# KiCad board panel.kicad_pcb (continued)
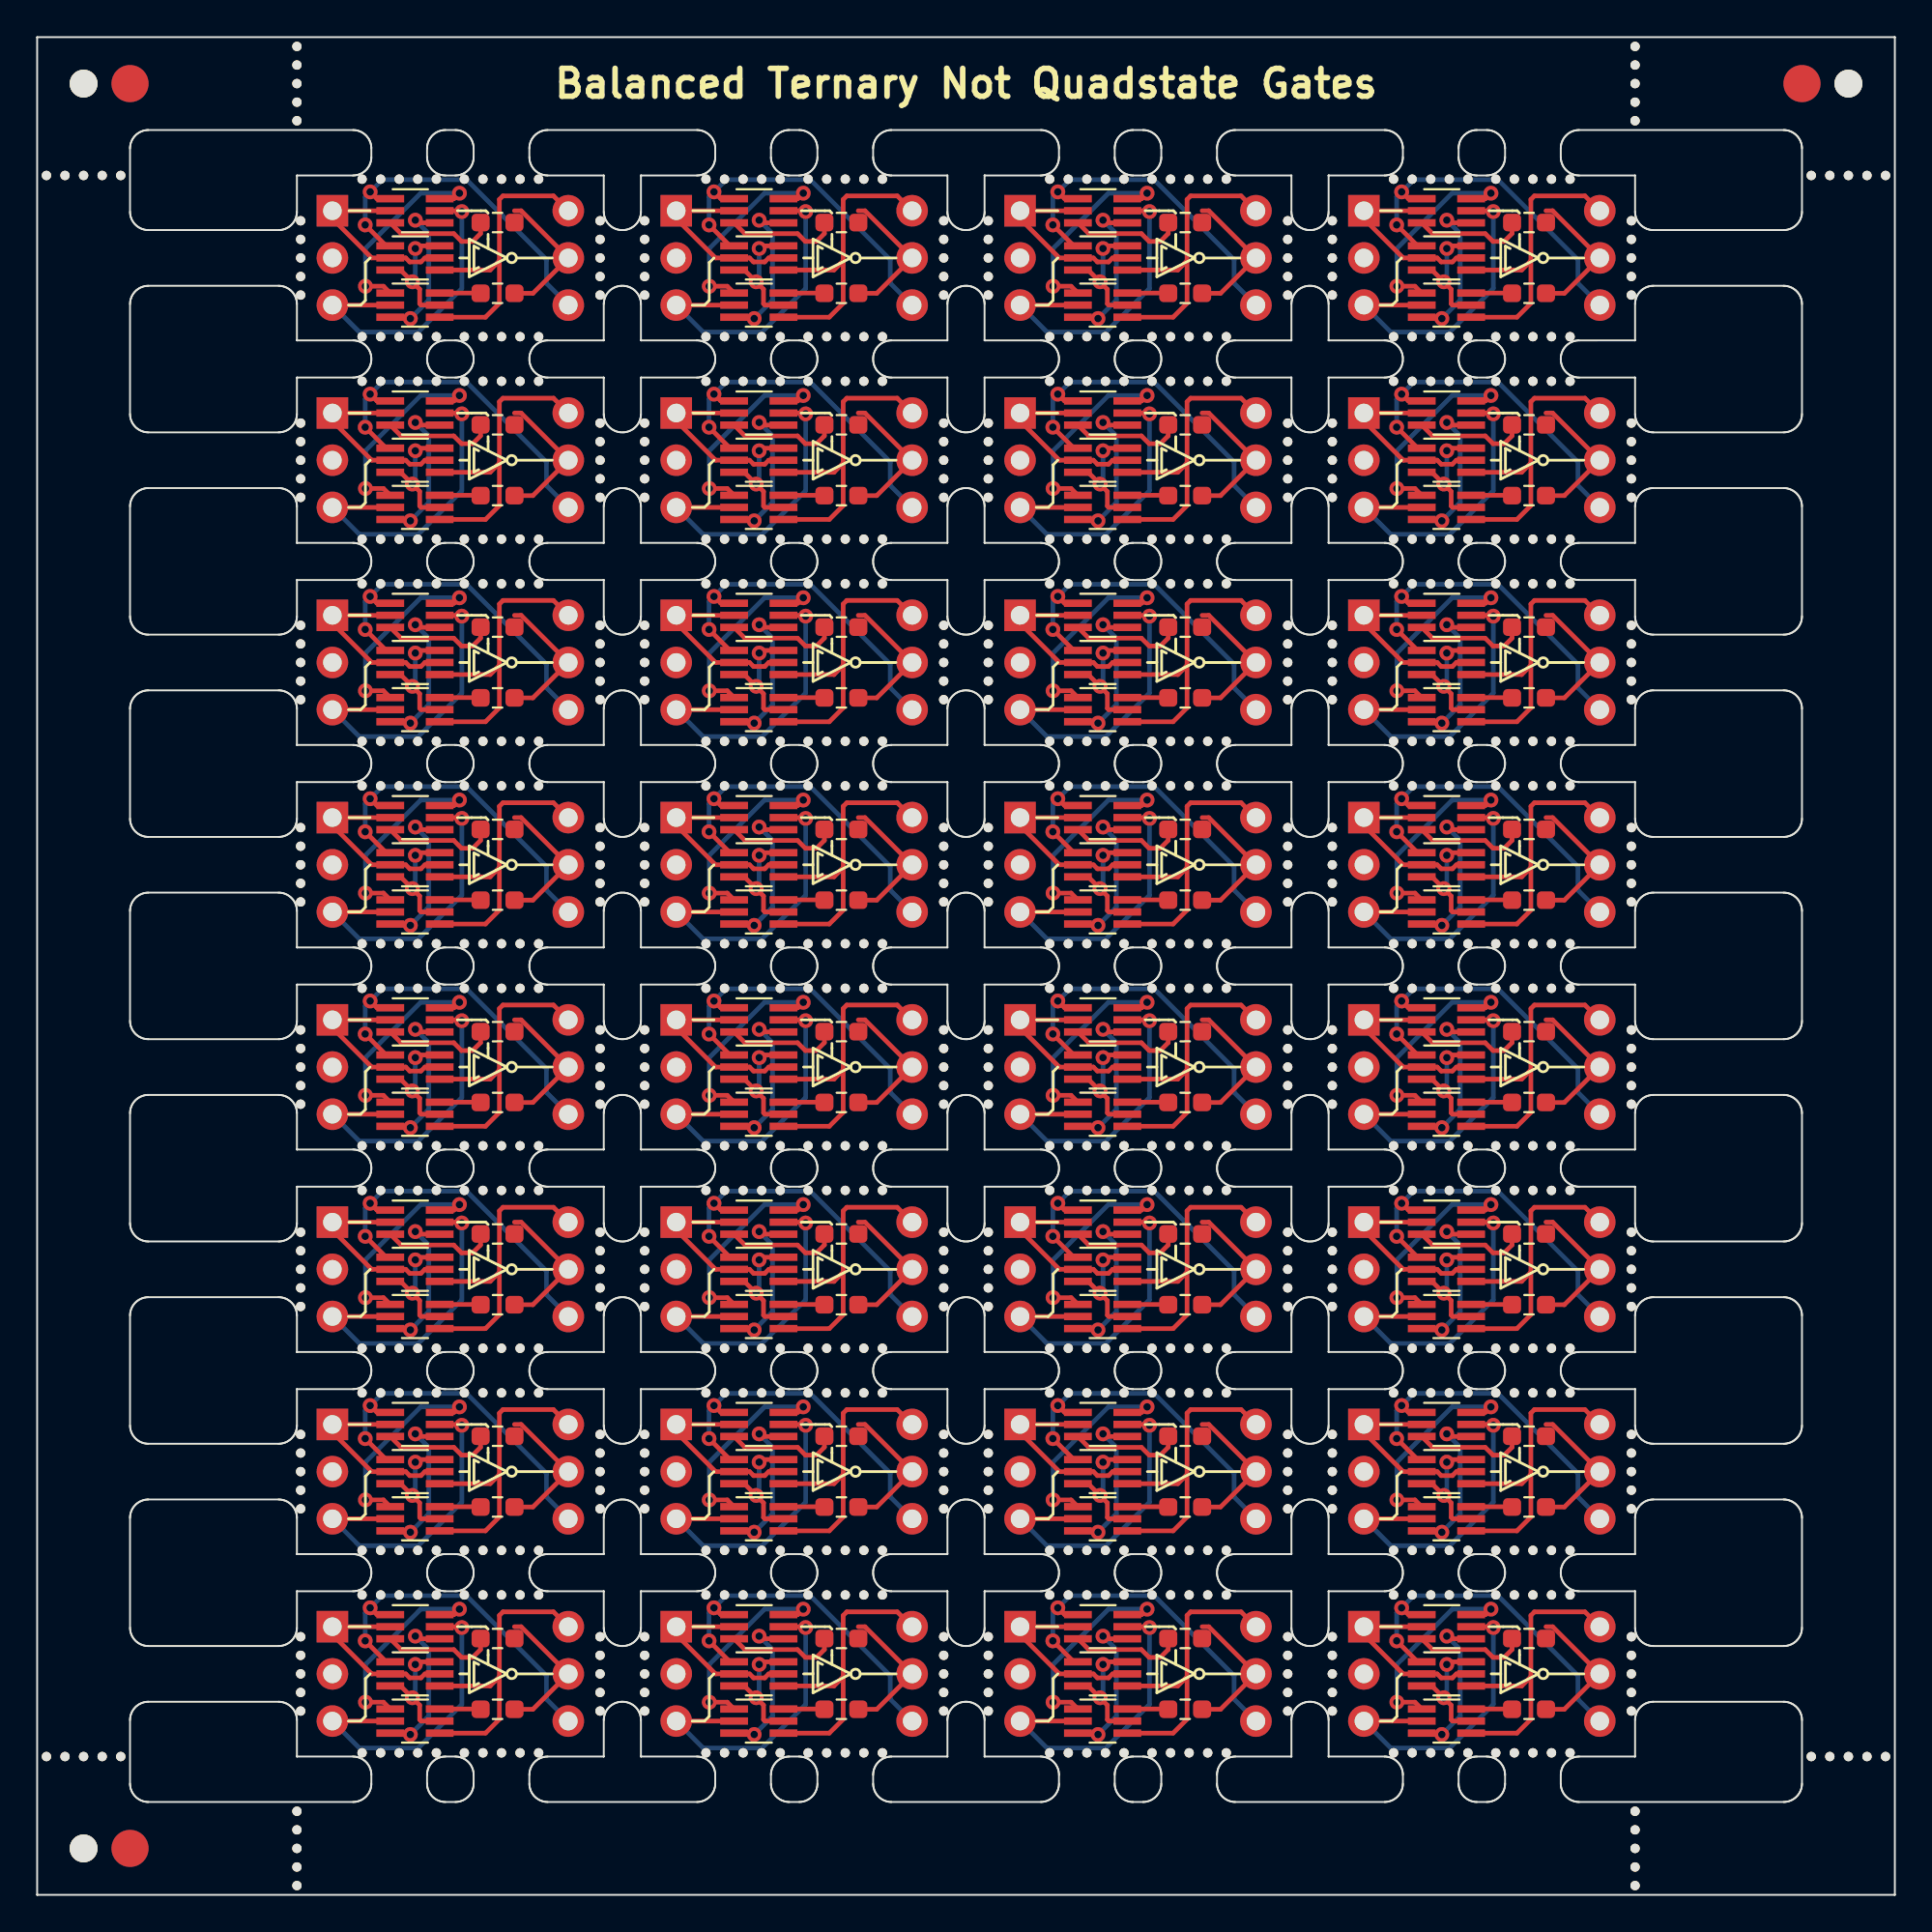
[diagram p0: board, top side]
## Placement (name value [footprint] x y rotation side) (continued)
REF**#825  -  [NPTH]  85.83 75.24 0 top
REF**#826  -  [NPTH]  44.51 7.65 0 top
REF**#827  -  [NPTH]  41.51 29.43 0 top
REF**#828  -  [NPTH]  64.02 70.59 0 top
REF**#829  -  [NPTH]  78.53 37.93 0 top
REF**#830  -  [NPTH]  14.18 88.13 0 top
REF**#831  -  [NPTH]  51.2 24.79 0 top
REF**#832  -  [NPTH]  56.51 70.59 0 top
REF**#833  -  [NPTH]  25 37.93 0 top
REF**#834  -  [NPTH]  75.03 18.55 0 top
REF**#835  -  [NPTH]  43.51 29.43 0 top
REF**#836  -  [NPTH]  76.03 37.93 0 top
REF**#837  -  [NPTH]  39.01 70.59 0 top
REF**#838  -  [NPTH]  76.03 59.71 0 top
REF**#839  -  [NPTH]  81.53 7.65 0 top
REF**#840  -  [NPTH]  57.51 51.21 0 top
REF**#841  -  [NPTH]  14.18 78.24 0 top
REF**#842  -  [NPTH]  43.51 51.21 0 top
REF**#843  -  [NPTH]  19.49 70.59 0 top
REF**#844  -  [NPTH]  27 37.93 0 top
REF**#845  -  [NPTH]  79.53 29.43 0 top
REF**#846  -  [NPTH]  86.03 3.5 0 top
REF**#847  -  [NPTH]  18.49 48.81 0 top
REF**#848  -  [NPTH]  78.53 48.81 0 top
REF**#849  -  [NPTH]  60.02 59.71 0 top
REF**#850  -  [NPTH]  14.18 46.57 0 top
REF**#851  -  [NPTH]  14.18 54.46 0 top
REF**#852  -  [NPTH]  51.2 12.9 0 top
REF**#853  -  [NPTH]  75.03 16.15 0 top
REF**#854  -  [NPTH]  51.2 32.68 0 top
REF**#855  -  [NPTH]  67.33 56.46 0 top
REF**#856  -  [NPTH]  18.49 92.37 0 top
REF**#857  -  [NPTH]  60.02 40.33 0 top
REF**#858  -  [NPTH]  54.51 7.65 0 top
REF**#859  -  [NPTH]  20.49 27.03 0 top
REF**#860  -  [NPTH]  32.7 75.24 0 top
REF**#861  -  [NPTH]  26 72.99 0 top
REF**#862  -  [NPTH]  26 48.81 0 top
REF**#863  -  [NPTH]  19.49 40.33 0 top
REF**#864  -  [NPTH]  67.33 32.68 0 top
REF**#865  -  [NPTH]  38.01 29.43 0 top
REF**#866  -  [NPTH]  32.7 90.13 0 top
REF**#867  -  [NPTH]  14.18 11.9 0 top
REF**#868  -  [NPTH]  26 16.15 0 top
REF**#869  -  [NPTH]  51.2 54.46 0 top
REF**#870  -  [NPTH]  67.33 68.35 0 top
REF**#871  -  [NPTH]  85.83 66.35 0 top
REF**#872  -  [NPTH]  81.53 16.15 0 top
REF**#873  -  [NPTH]  86.03 97.51 0 top
REF**#874  -  [NPTH]  17.49 62.11 0 top
REF**#875  -  [NPTH]  67.33 64.35 0 top
REF**#876  -  [NPTH]  0.5 7.45 0 top
REF**#877  -  [NPTH]  85.83 90.13 0 top
REF**#878  -  [NPTH]  17.49 37.93 0 top
REF**#879  -  [NPTH]  56.51 18.55 0 top
REF**#880  -  [NPTH]  73.03 48.81 0 top
REF**#881  -  [NPTH]  14.18 56.46 0 top
REF**#882  -  [NPTH]  27 59.71 0 top
REF**#883  -  [NPTH]  21.49 29.43 0 top
REF**#884  -  [NPTH]  77.03 72.99 0 top
REF**#885  -  [NPTH]  69.72 76.24 0 top
REF**#886  -  [NPTH]  62.02 83.89 0 top
REF**#887  -  [NPTH]  14.18 67.35 0 top
REF**#888  -  [NPTH]  74.03 48.81 0 top
REF**#889  -  [NPTH]  14.18 33.68 0 top
REF**#890  -  [NPTH]  80.53 27.03 0 top
REF**#891  -  [NPTH]  55.51 16.15 0 top
REF**#892  -  [NPTH]  19.49 72.99 0 top
REF**#893  -  [NPTH]  58.51 92.37 0 top
REF**#894  -  [NPTH]  30.3 65.35 0 top
REF**#895  -  [NPTH]  1.5 92.57 0 top
REF**#896  -  [NPTH]  55.51 70.59 0 top
REF**#897  -  [NPTH]  14.18 76.24 0 top
REF**#898  -  [NPTH]  14.18 42.57 0 top
REF**#899  -  [NPTH]  67.33 65.35 0 top
REF**#900  -  [NPTH]  18.49 16.15 0 top
REF**#901  -  [NPTH]  60.02 92.37 0 top
REF**#902  -  [NPTH]  2.5 7.45 0 top
REF**#903  -  [NPTH]  43.51 40.33 0 top
REF**#904  -  [NPTH]  69.72 24.79 0 top
REF**#905  -  [NPTH]  69.72 35.68 0 top
REF**#906  -  [NPTH]  42.51 37.93 0 top
REF**#907  -  [NPTH]  20.49 70.59 0 top
REF**#908  -  [NPTH]  82.53 70.59 0 top
REF**#909  -  [NPTH]  48.8 57.46 0 top
REF**#910  -  [NPTH]  26 62.11 0 top
REF**#911  -  [NPTH]  21.49 40.33 0 top
REF**#912  -  [NPTH]  86.03 99.51 0 top
REF**#913  -  [NPTH]  95.51 7.45 0 top
REF**#914  -  [NPTH]  18.49 7.65 0 top
REF**#915  -  [NPTH]  48.8 86.13 0 top
REF**#916  -  [NPTH]  69.72 86.13 0 top
REF**#917  -  [NPTH]  81.53 51.21 0 top
REF**#918  -  [NPTH]  17.49 59.71 0 top
REF**#919  -  [NPTH]  67.33 76.24 0 top
REF**#920  -  [NPTH]  57.51 29.43 0 top
REF**#921  -  [NPTH]  58.51 18.55 0 top
REF**#922  -  [NPTH]  80.53 7.65 0 top
REF**#923  -  [NPTH]  14.18 13.9 0 top
REF**#924  -  [NPTH]  4.5 92.57 0 top
REF**#925  -  [NPTH]  30.3 56.46 0 top
REF**#926  -  [NPTH]  57.51 81.49 0 top
REF**#927  -  [NPTH]  0.5 92.57 0 top
REF**#928  -  [NPTH]  69.72 54.46 0 top
REF**#929  -  [NPTH]  14.18 24.79 0 top
REF**#930  -  [NPTH]  41.51 7.65 0 top
REF**#931  -  [NPTH]  74.03 40.33 0 top
REF**#932  -  [NPTH]  38.01 70.59 0 top
REF**#933  -  [NPTH]  81.53 59.71 0 top
REF**#934  -  [NPTH]  51.2 21.79 0 top
REF**#935  -  [NPTH]  56.51 92.37 0 top
REF**#936  -  [NPTH]  58.51 27.03 0 top
REF**#937  -  [NPTH]  64.02 48.81 0 top
REF**#938  -  [NPTH]  55.51 40.33 0 top
REF**#939  -  [NPTH]  20.49 16.15 0 top
REF**#940  -  [NPTH]  20.49 59.71 0 top
REF**#941  -  [NPTH]  43.51 70.59 0 top
REF**#942  -  [NPTH]  48.8 34.68 0 top
REF**#943  -  [NPTH]  13.98 3.5 0 top
REF**#944  -  [NPTH]  77.03 16.15 0 top
REF**#945  -  [NPTH]  85.83 33.68 0 top
REF**#946  -  [NPTH]  25 16.15 0 top
REF**#947  -  [NPTH]  56.51 72.99 0 top
REF**#948  -  [NPTH]  69.72 20.79 0 top
REF**#949  -  [NPTH]  41.51 48.81 0 top
REF**#950  -  [NPTH]  80.53 16.15 0 top
REF**#951  -  [NPTH]  69.72 45.57 0 top
REF**#952  -  [NPTH]  77.03 40.33 0 top
REF**#953  -  [NPTH]  63.02 40.33 0 top
REF**#954  -  [NPTH]  39.01 7.65 0 top
REF**#955  -  [NPTH]  17.49 18.55 0 top
REF**#956  -  [NPTH]  48.8 9.9 0 top
REF**#957  -  [NPTH]  67.33 45.57 0 top
REF**#958  -  [NPTH]  69.72 23.79 0 top
REF**#959  -  [NPTH]  57.51 27.03 0 top
REF**#960  -  [NPTH]  51.2 13.9 0 top
REF**#961  -  [NPTH]  24 81.49 0 top
REF**#962  -  [NPTH]  67.33 57.46 0 top
REF**#963  -  [NPTH]  54.51 27.03 0 top
REF**#964  -  [NPTH]  54.51 40.33 0 top
REF**#965  -  [NPTH]  85.83 31.68 0 top
REF**#966  -  [NPTH]  54.51 51.21 0 top
REF**#967  -  [NPTH]  38.01 37.93 0 top
REF**#968  -  [NPTH]  78.53 62.11 0 top
REF**#969  -  [NPTH]  38.01 7.65 0 top
REF**#970  -  [NPTH]  82.53 37.93 0 top
REF**#971  -  [NPTH]  48.8 66.35 0 top
REF**#972  -  [NPTH]  27 7.65 0 top
REF**#973  -  [NPTH]  76.03 83.89 0 top
REF**#974  -  [NPTH]  13.98 98.51 0 top
REF**#975  -  [NPTH]  55.51 72.99 0 top
REF**#976  -  [NPTH]  21.49 7.65 0 top
REF**#977  -  [NPTH]  51.2 35.68 0 top
REF**#978  -  [NPTH]  67.33 20.79 0 top
REF**#979  -  [NPTH]  63.02 62.11 0 top
REF**#980  -  [NPTH]  60.02 72.99 0 top
REF**#981  -  [NPTH]  37.01 59.71 0 top
REF**#982  -  [NPTH]  20.49 81.49 0 top
REF**#983  -  [NPTH]  43.51 72.99 0 top
REF**#984  -  [NPTH]  23 7.65 0 top
REF**#985  -  [NPTH]  74.03 51.21 0 top
REF**#986  -  [NPTH]  82.53 40.33 0 top
REF**#987  -  [NPTH]  38.01 16.15 0 top
REF**#988  -  [NPTH]  67.33 46.57 0 top
REF**#989  -  [NPTH]  67.33 86.13 0 top
REF**#990  -  [NPTH]  37.01 29.43 0 top
REF**#991  -  [NPTH]  67.33 33.68 0 top
REF**#992  -  [NPTH]  20.49 92.37 0 top
REF**#993  -  [NPTH]  19.49 81.49 0 top
REF**#994  -  [NPTH]  97.51 92.57 0 top
REF**#995  -  [NPTH]  75.03 59.71 0 top
REF**#996  -  [NPTH]  19.49 37.93 0 top
REF**#997  -  [NPTH]  54.51 83.89 0 top
REF**#998  -  [NPTH]  36.01 83.89 0 top
REF**#999  -  [NPTH]  4.5 7.45 0 top
REF**#1000  -  [NPTH]  32.7 46.57 0 top
REF**#1001  -  [NPTH]  56.51 40.33 0 top
REF**#1002  -  [NPTH]  85.83 77.24 0 top
REF**#1003  -  [NPTH]  32.7 34.68 0 top
REF**#1004  -  [NPTH]  97.51 7.45 0 top
REF**#1005  -  [NPTH]  77.03 51.21 0 top
REF**#1006  -  [NPTH]  61.02 29.43 0 top
REF**#1007  -  [Fiducial]  95.01 97.51 0 bottom
REF**#1008  -  [Fiducial]  5 2.5 0 bottom
REF**#1009  -  [Fiducial]  5 97.51 0 bottom

## Library data of the parts
J1 J1#2-J1#32 J2 J2#2-J2#32 = -: Spice_Netlist_Enabled: N; Spice_Primitive: J
Q1 Q1#2-Q1#32 Q2 Q2#2-Q2#32 Q3 Q3#2-Q3#32 = -: Spice_Lib_File: /lab/dev/tritium/library/TritiumSpice.lib; Spice_Model: BSS8402DW; Spice_Netlist_Enabled: Y; Spice_Primitive: X

## Footprints (pads in the part's own frame, mm; a bottom-side part is the same pattern mirrored in y, then rotated)
Fiducial
  round 2 smd: (0,0)
NPTH
  round 0.5 hole 0.5 unplated: (0,0)
NPTH#2
  round 1.5 hole 1.5 unplated: (0,0)
PinHeader_1x03_P2.54mm_Vertical_NoSilkscreen
  round 1.7 hole 1: 1(0,0)
  oval 1.7x1.7 hole 1: 2(0,-2.54) 3(0,-5.08)
PinHeader_1x03_P2.54mm_Vertical_NoSilkscreen#2
  rect 1.7x1.7 hole 1: 1(0,0)
  oval 1.7x1.7 hole 1: 2(0,-2.54) 3(0,-5.08)
R_0603_1608Metric_Pad0.98x0.95mm_HandSolder
  rrect 0.975x0.95 smd: 1(-0.912,0) 2(0.912,0)
SOT-363_SC-70-6_Handsoldering
  rect 1.5x0.4 smd: 1(-1.33,0.65) 2(-1.33,0) 3(-1.33,-0.65) 4(1.33,-0.65) 5(1.33,0) 6(1.33,0.65)

## Nets
Board_0-Gate: J1#21.1 Q1#12.2 Q1#12.5 Q3#12.2
Board_0-In: J1#21.3 Q2#16.2 Q3#12.5
Board_0-Net-(Q1-Pad3): Q1#12.3 Q1#12.6 Q2#16.5
Board_0-Net-(Q2-Pad1): Q2#16.1 Q3#12.6
Board_0-Net-(Q2-Pad3): Q2#16.3 Q3#12.4
Board_0-Net-(Q2-Pad6): Q2#16.6 R2#7.2
Board_0-Net-(Q3-Pad3): Q3#12.3 R1#6.1
Board_0-Out: J2#6.2 R1#6.2 R2#7.1
Board_0-unconnected-(J1-Pad2): J1#21.2
Board_0-VDD: J2#6.1 Q1#12.4 Q2#16.4
Board_0-VSS: J2#6.3 Q1#12.1 Q3#12.1
Board_1-Gate: J1#17.1 Q1#25.2 Q1#25.5 Q3#24.2
Board_1-In: J1#17.3 Q2.2 Q3#24.5
Board_1-Net-(Q1-Pad3): Q1#25.3 Q1#25.6 Q2.5
Board_1-Net-(Q2-Pad1): Q2.1 Q3#24.6
Board_1-Net-(Q2-Pad3): Q2.3 Q3#24.4
Board_1-Net-(Q2-Pad6): Q2.6 R2#23.2
Board_1-Net-(Q3-Pad3): Q3#24.3 R1#25.1
Board_1-Out: J2#19.2 R1#25.2 R2#23.1
Board_1-unconnected-(J1-Pad2): J1#17.2
Board_1-VDD: J2#19.1 Q1#25.4 Q2.4
Board_1-VSS: J2#19.3 Q1#25.1 Q3#24.1
Board_2-Gate: J1#20.1 Q1#32.2 Q1#32.5 Q3#9.2
Board_2-In: J1#20.3 Q2#14.2 Q3#9.5
Board_2-Net-(Q1-Pad3): Q1#32.3 Q1#32.6 Q2#14.5
Board_2-Net-(Q2-Pad1): Q2#14.1 Q3#9.6
Board_2-Net-(Q2-Pad3): Q2#14.3 Q3#9.4
Board_2-Net-(Q2-Pad6): Q2#14.6 R2#29.2
Board_2-Net-(Q3-Pad3): Q3#9.3 R1#27.1
Board_2-Out: J2#10.2 R1#27.2 R2#29.1
Board_2-unconnected-(J1-Pad2): J1#20.2
Board_2-VDD: J2#10.1 Q1#32.4 Q2#14.4
Board_2-VSS: J2#10.3 Q1#32.1 Q3#9.1
Board_3-Gate: J1#4.1 Q1#18.2 Q1#18.5 Q3#5.2
Board_3-In: J1#4.3 Q2#27.2 Q3#5.5
Board_3-Net-(Q1-Pad3): Q1#18.3 Q1#18.6 Q2#27.5
Board_3-Net-(Q2-Pad1): Q2#27.1 Q3#5.6
Board_3-Net-(Q2-Pad3): Q2#27.3 Q3#5.4
Board_3-Net-(Q2-Pad6): Q2#27.6 R2#21.2
Board_3-Net-(Q3-Pad3): Q3#5.3 R1#26.1
Board_3-Out: J2#25.2 R1#26.2 R2#21.1
Board_3-unconnected-(J1-Pad2): J1#4.2
Board_3-VDD: J2#25.1 Q1#18.4 Q2#27.4
Board_3-VSS: J2#25.3 Q1#18.1 Q3#5.1
Board_4-Gate: J1.1 Q1#19.2 Q1#19.5 Q3#23.2
Board_4-In: J1.3 Q2#22.2 Q3#23.5
Board_4-Net-(Q1-Pad3): Q1#19.3 Q1#19.6 Q2#22.5
Board_4-Net-(Q2-Pad1): Q2#22.1 Q3#23.6
Board_4-Net-(Q2-Pad3): Q2#22.3 Q3#23.4
Board_4-Net-(Q2-Pad6): Q2#22.6 R2#6.2
Board_4-Net-(Q3-Pad3): Q3#23.3 R1#15.1
Board_4-Out: J2#14.2 R1#15.2 R2#6.1
Board_4-unconnected-(J1-Pad2): J1.2
Board_4-VDD: J2#14.1 Q1#19.4 Q2#22.4
Board_4-VSS: J2#14.3 Q1#19.1 Q3#23.1
Board_5-Gate: J1#15.1 Q1#20.2 Q1#20.5 Q3#29.2
Board_5-In: J1#15.3 Q2#28.2 Q3#29.5
Board_5-Net-(Q1-Pad3): Q1#20.3 Q1#20.6 Q2#28.5
Board_5-Net-(Q2-Pad1): Q2#28.1 Q3#29.6
Board_5-Net-(Q2-Pad3): Q2#28.3 Q3#29.4
Board_5-Net-(Q2-Pad6): Q2#28.6 R2#17.2
Board_5-Net-(Q3-Pad3): Q3#29.3 R1#4.1
Board_5-Out: J2#12.2 R1#4.2 R2#17.1
Board_5-unconnected-(J1-Pad2): J1#15.2
Board_5-VDD: J2#12.1 Q1#20.4 Q2#28.4
Board_5-VSS: J2#12.3 Q1#20.1 Q3#29.1
Board_6-Gate: J1#32.1 Q1#26.2 Q1#26.5 Q3#22.2
Board_6-In: J1#32.3 Q2#11.2 Q3#22.5
Board_6-Net-(Q1-Pad3): Q1#26.3 Q1#26.6 Q2#11.5
Board_6-Net-(Q2-Pad1): Q2#11.1 Q3#22.6
Board_6-Net-(Q2-Pad3): Q2#11.3 Q3#22.4
Board_6-Net-(Q2-Pad6): Q2#11.6 R2#27.2
Board_6-Net-(Q3-Pad3): Q3#22.3 R1.1
Board_6-Out: J2#22.2 R1.2 R2#27.1
Board_6-unconnected-(J1-Pad2): J1#32.2
Board_6-VDD: J2#22.1 Q1#26.4 Q2#11.4
Board_6-VSS: J2#22.3 Q1#26.1 Q3#22.1
Board_7-Gate: J1#23.1 Q1#23.2 Q1#23.5 Q3#11.2
Board_7-In: J1#23.3 Q2#5.2 Q3#11.5
Board_7-Net-(Q1-Pad3): Q1#23.3 Q1#23.6 Q2#5.5
Board_7-Net-(Q2-Pad1): Q2#5.1 Q3#11.6
Board_7-Net-(Q2-Pad3): Q2#5.3 Q3#11.4
Board_7-Net-(Q2-Pad6): Q2#5.6 R2#24.2
Board_7-Net-(Q3-Pad3): Q3#11.3 R1#13.1
Board_7-Out: J2#17.2 R1#13.2 R2#24.1
Board_7-unconnected-(J1-Pad2): J1#23.2
Board_7-VDD: J2#17.1 Q1#23.4 Q2#5.4
Board_7-VSS: J2#17.3 Q1#23.1 Q3#11.1
Board_8-Gate: J1#16.1 Q1#5.2 Q1#5.5 Q3#18.2
Board_8-In: J1#16.3 Q2#12.2 Q3#18.5
Board_8-Net-(Q1-Pad3): Q1#5.3 Q1#5.6 Q2#12.5
Board_8-Net-(Q2-Pad1): Q2#12.1 Q3#18.6
Board_8-Net-(Q2-Pad3): Q2#12.3 Q3#18.4
Board_8-Net-(Q2-Pad6): Q2#12.6 R2#22.2
Board_8-Net-(Q3-Pad3): Q3#18.3 R1#28.1
Board_8-Out: J2#28.2 R1#28.2 R2#22.1
Board_8-unconnected-(J1-Pad2): J1#16.2
Board_8-VDD: J2#28.1 Q1#5.4 Q2#12.4
Board_8-VSS: J2#28.3 Q1#5.1 Q3#18.1
Board_9-Gate: J1#8.1 Q1#6.2 Q1#6.5 Q3#7.2
Board_9-In: J1#8.3 Q2#10.2 Q3#7.5
Board_9-Net-(Q1-Pad3): Q1#6.3 Q1#6.6 Q2#10.5
Board_9-Net-(Q2-Pad1): Q2#10.1 Q3#7.6
Board_9-Net-(Q2-Pad3): Q2#10.3 Q3#7.4
Board_9-Net-(Q2-Pad6): Q2#10.6 R2#2.2
Board_9-Net-(Q3-Pad3): Q3#7.3 R1#2.1
Board_9-Out: J2#16.2 R1#2.2 R2#2.1
Board_9-unconnected-(J1-Pad2): J1#8.2
Board_9-VDD: J2#16.1 Q1#6.4 Q2#10.4
Board_9-VSS: J2#16.3 Q1#6.1 Q3#7.1
Board_10-Gate: J1#31.1 Q1#21.2 Q1#21.5 Q3#31.2
Board_10-In: J1#31.3 Q2#21.2 Q3#31.5
Board_10-Net-(Q1-Pad3): Q1#21.3 Q1#21.6 Q2#21.5
Board_10-Net-(Q2-Pad1): Q2#21.1 Q3#31.6
Board_10-Net-(Q2-Pad3): Q2#21.3 Q3#31.4
Board_10-Net-(Q2-Pad6): Q2#21.6 R2#31.2
Board_10-Net-(Q3-Pad3): Q3#31.3 R1#17.1
Board_10-Out: J2#29.2 R1#17.2 R2#31.1
Board_10-unconnected-(J1-Pad2): J1#31.2
Board_10-VDD: J2#29.1 Q1#21.4 Q2#21.4
Board_10-VSS: J2#29.3 Q1#21.1 Q3#31.1
Board_11-Gate: J1#5.1 Q1#29.2 Q1#29.5 Q3#27.2
Board_11-In: J1#5.3 Q2#4.2 Q3#27.5
Board_11-Net-(Q1-Pad3): Q1#29.3 Q1#29.6 Q2#4.5
Board_11-Net-(Q2-Pad1): Q2#4.1 Q3#27.6
Board_11-Net-(Q2-Pad3): Q2#4.3 Q3#27.4
Board_11-Net-(Q2-Pad6): Q2#4.6 R2#4.2
Board_11-Net-(Q3-Pad3): Q3#27.3 R1#9.1
Board_11-Out: J2#4.2 R1#9.2 R2#4.1
Board_11-unconnected-(J1-Pad2): J1#5.2
Board_11-VDD: J2#4.1 Q1#29.4 Q2#4.4
Board_11-VSS: J2#4.3 Q1#29.1 Q3#27.1
Board_12-Gate: J1#9.1 Q1#16.2 Q1#16.5 Q3#8.2
Board_12-In: J1#9.3 Q2#23.2 Q3#8.5
Board_12-Net-(Q1-Pad3): Q1#16.3 Q1#16.6 Q2#23.5
Board_12-Net-(Q2-Pad1): Q2#23.1 Q3#8.6
Board_12-Net-(Q2-Pad3): Q2#23.3 Q3#8.4
Board_12-Net-(Q2-Pad6): Q2#23.6 R2#25.2
Board_12-Net-(Q3-Pad3): Q3#8.3 R1#22.1
Board_12-Out: J2#21.2 R1#22.2 R2#25.1
Board_12-unconnected-(J1-Pad2): J1#9.2
Board_12-VDD: J2#21.1 Q1#16.4 Q2#23.4
Board_12-VSS: J2#21.3 Q1#16.1 Q3#8.1
Board_13-Gate: J1#18.1 Q1#11.2 Q1#11.5 Q3#32.2
Board_13-In: J1#18.3 Q2#20.2 Q3#32.5
Board_13-Net-(Q1-Pad3): Q1#11.3 Q1#11.6 Q2#20.5
Board_13-Net-(Q2-Pad1): Q2#20.1 Q3#32.6
Board_13-Net-(Q2-Pad3): Q2#20.3 Q3#32.4
Board_13-Net-(Q2-Pad6): Q2#20.6 R2#30.2
Board_13-Net-(Q3-Pad3): Q3#32.3 R1#18.1
Board_13-Out: J2#7.2 R1#18.2 R2#30.1
Board_13-unconnected-(J1-Pad2): J1#18.2
Board_13-VDD: J2#7.1 Q1#11.4 Q2#20.4
Board_13-VSS: J2#7.3 Q1#11.1 Q3#32.1
Board_14-Gate: J1#26.1 Q1#28.2 Q1#28.5 Q3#20.2
Board_14-In: J1#26.3 Q2#3.2 Q3#20.5
Board_14-Net-(Q1-Pad3): Q1#28.3 Q1#28.6 Q2#3.5
Board_14-Net-(Q2-Pad1): Q2#3.1 Q3#20.6
Board_14-Net-(Q2-Pad3): Q2#3.3 Q3#20.4
Board_14-Net-(Q2-Pad6): Q2#3.6 R2#8.2
Board_14-Net-(Q3-Pad3): Q3#20.3 R1#21.1
Board_14-Out: J2#5.2 R1#21.2 R2#8.1
Board_14-unconnected-(J1-Pad2): J1#26.2
Board_14-VDD: J2#5.1 Q1#28.4 Q2#3.4
Board_14-VSS: J2#5.3 Q1#28.1 Q3#20.1
Board_15-Gate: J1#22.1 Q1#13.2 Q1#13.5 Q3#10.2
Board_15-In: J1#22.3 Q2#19.2 Q3#10.5
Board_15-Net-(Q1-Pad3): Q1#13.3 Q1#13.6 Q2#19.5
Board_15-Net-(Q2-Pad1): Q2#19.1 Q3#10.6
Board_15-Net-(Q2-Pad3): Q2#19.3 Q3#10.4
Board_15-Net-(Q2-Pad6): Q2#19.6 R2#32.2
Board_15-Net-(Q3-Pad3): Q3#10.3 R1#16.1
Board_15-Out: J2#26.2 R1#16.2 R2#32.1
Board_15-unconnected-(J1-Pad2): J1#22.2
Board_15-VDD: J2#26.1 Q1#13.4 Q2#19.4
Board_15-VSS: J2#26.3 Q1#13.1 Q3#10.1
Board_16-Gate: J1#25.1 Q1#4.2 Q1#4.5 Q3#30.2
Board_16-In: J1#25.3 Q2#9.2 Q3#30.5
Board_16-Net-(Q1-Pad3): Q1#4.3 Q1#4.6 Q2#9.5
Board_16-Net-(Q2-Pad1): Q2#9.1 Q3#30.6
Board_16-Net-(Q2-Pad3): Q2#9.3 Q3#30.4
Board_16-Net-(Q2-Pad6): Q2#9.6 R2#11.2
Board_16-Net-(Q3-Pad3): Q3#30.3 R1#29.1
Board_16-Out: J2#3.2 R1#29.2 R2#11.1
Board_16-unconnected-(J1-Pad2): J1#25.2
Board_16-VDD: J2#3.1 Q1#4.4 Q2#9.4
Board_16-VSS: J2#3.3 Q1#4.1 Q3#30.1
Board_17-Gate: J1#19.1 Q1#31.2 Q1#31.5 Q3#6.2
Board_17-In: J1#19.3 Q2#31.2 Q3#6.5
Board_17-Net-(Q1-Pad3): Q1#31.3 Q1#31.6 Q2#31.5
Board_17-Net-(Q2-Pad1): Q2#31.1 Q3#6.6
Board_17-Net-(Q2-Pad3): Q2#31.3 Q3#6.4
Board_17-Net-(Q2-Pad6): Q2#31.6 R2#16.2
Board_17-Net-(Q3-Pad3): Q3#6.3 R1#24.1
Board_17-Out: J2#31.2 R1#24.2 R2#16.1
Board_17-unconnected-(J1-Pad2): J1#19.2
Board_17-VDD: J2#31.1 Q1#31.4 Q2#31.4
Board_17-VSS: J2#31.3 Q1#31.1 Q3#6.1
Board_18-Gate: J1#30.1 Q1#27.2 Q1#27.5 Q3.2
Board_18-In: J1#30.3 Q2#18.2 Q3.5
Board_18-Net-(Q1-Pad3): Q1#27.3 Q1#27.6 Q2#18.5
Board_18-Net-(Q2-Pad1): Q2#18.1 Q3.6
Board_18-Net-(Q2-Pad3): Q2#18.3 Q3.4
Board_18-Net-(Q2-Pad6): Q2#18.6 R2#28.2
Board_18-Net-(Q3-Pad3): Q3.3 R1#12.1
Board_18-Out: J2#11.2 R1#12.2 R2#28.1
Board_18-unconnected-(J1-Pad2): J1#30.2
Board_18-VDD: J2#11.1 Q1#27.4 Q2#18.4
Board_18-VSS: J2#11.3 Q1#27.1 Q3.1
Board_19-Gate: J1#13.1 Q1#24.2 Q1#24.5 Q3#21.2
Board_19-In: J1#13.3 Q2#26.2 Q3#21.5
Board_19-Net-(Q1-Pad3): Q1#24.3 Q1#24.6 Q2#26.5
Board_19-Net-(Q2-Pad1): Q2#26.1 Q3#21.6
Board_19-Net-(Q2-Pad3): Q2#26.3 Q3#21.4
Board_19-Net-(Q2-Pad6): Q2#26.6 R2#5.2
Board_19-Net-(Q3-Pad3): Q3#21.3 R1#5.1
Board_19-Out: J2#2.2 R1#5.2 R2#5.1
Board_19-unconnected-(J1-Pad2): J1#13.2
Board_19-VDD: J2#2.1 Q1#24.4 Q2#26.4
Board_19-VSS: J2#2.3 Q1#24.1 Q3#21.1
Board_20-Gate: J1#10.1 Q1.2 Q1.5 Q3#17.2
Board_20-In: J1#10.3 Q2#25.2 Q3#17.5
Board_20-Net-(Q1-Pad3): Q1.3 Q1.6 Q2#25.5
Board_20-Net-(Q2-Pad1): Q2#25.1 Q3#17.6
Board_20-Net-(Q2-Pad3): Q2#25.3 Q3#17.4
Board_20-Net-(Q2-Pad6): Q2#25.6 R2#18.2
Board_20-Net-(Q3-Pad3): Q3#17.3 R1#32.1
Board_20-Out: J2#23.2 R1#32.2 R2#18.1
Board_20-unconnected-(J1-Pad2): J1#10.2
Board_20-VDD: J2#23.1 Q1.4 Q2#25.4
Board_20-VSS: J2#23.3 Q1.1 Q3#17.1
Board_21-Gate: J1#6.1 Q1#15.2 Q1#15.5 Q3#4.2
Board_21-In: J1#6.3 Q2#2.2 Q3#4.5
Board_21-Net-(Q1-Pad3): Q1#15.3 Q1#15.6 Q2#2.5
Board_21-Net-(Q2-Pad1): Q2#2.1 Q3#4.6
Board_21-Net-(Q2-Pad3): Q2#2.3 Q3#4.4
Board_21-Net-(Q2-Pad6): Q2#2.6 R2.2
Board_21-Net-(Q3-Pad3): Q3#4.3 R1#30.1
Board_21-Out: J2#18.2 R1#30.2 R2.1
Board_21-unconnected-(J1-Pad2): J1#6.2
Board_21-VDD: J2#18.1 Q1#15.4 Q2#2.4
Board_21-VSS: J2#18.3 Q1#15.1 Q3#4.1
Board_22-Gate: J1#7.1 Q1#2.2 Q1#2.5 Q3#28.2
Board_22-In: J1#7.3 Q2#32.2 Q3#28.5
Board_22-Net-(Q1-Pad3): Q1#2.3 Q1#2.6 Q2#32.5
Board_22-Net-(Q2-Pad1): Q2#32.1 Q3#28.6
Board_22-Net-(Q2-Pad3): Q2#32.3 Q3#28.4
Board_22-Net-(Q2-Pad6): Q2#32.6 R2#19.2
Board_22-Net-(Q3-Pad3): Q3#28.3 R1#3.1
Board_22-Out: J2#13.2 R1#3.2 R2#19.1
Board_22-unconnected-(J1-Pad2): J1#7.2
Board_22-VDD: J2#13.1 Q1#2.4 Q2#32.4
Board_22-VSS: J2#13.3 Q1#2.1 Q3#28.1
Board_23-Gate: J1#27.1 Q1#3.2 Q1#3.5 Q3#16.2
Board_23-In: J1#27.3 Q2#24.2 Q3#16.5
Board_23-Net-(Q1-Pad3): Q1#3.3 Q1#3.6 Q2#24.5
Board_23-Net-(Q2-Pad1): Q2#24.1 Q3#16.6
Board_23-Net-(Q2-Pad3): Q2#24.3 Q3#16.4
Board_23-Net-(Q2-Pad6): Q2#24.6 R2#3.2
Board_23-Net-(Q3-Pad3): Q3#16.3 R1#11.1
Board_23-Out: J2#9.2 R1#11.2 R2#3.1
Board_23-unconnected-(J1-Pad2): J1#27.2
Board_23-VDD: J2#9.1 Q1#3.4 Q2#24.4
Board_23-VSS: J2#9.3 Q1#3.1 Q3#16.1
Board_24-Gate: J1#28.1 Q1#7.2 Q1#7.5 Q3#2.2
Board_24-In: J1#28.3 Q2#29.2 Q3#2.5
Board_24-Net-(Q1-Pad3): Q1#7.3 Q1#7.6 Q2#29.5
Board_24-Net-(Q2-Pad1): Q2#29.1 Q3#2.6
Board_24-Net-(Q2-Pad3): Q2#29.3 Q3#2.4
Board_24-Net-(Q2-Pad6): Q2#29.6 R2#13.2
Board_24-Net-(Q3-Pad3): Q3#2.3 R1#31.1
Board_24-Out: J2#30.2 R1#31.2 R2#13.1
Board_24-unconnected-(J1-Pad2): J1#28.2
Board_24-VDD: J2#30.1 Q1#7.4 Q2#29.4
Board_24-VSS: J2#30.3 Q1#7.1 Q3#2.1
Board_25-Gate: J1#11.1 Q1#22.2 Q1#22.5 Q3#14.2
Board_25-In: J1#11.3 Q2#17.2 Q3#14.5
Board_25-Net-(Q1-Pad3): Q1#22.3 Q1#22.6 Q2#17.5
Board_25-Net-(Q2-Pad1): Q2#17.1 Q3#14.6
Board_25-Net-(Q2-Pad3): Q2#17.3 Q3#14.4
Board_25-Net-(Q2-Pad6): Q2#17.6 R2#10.2
Board_25-Net-(Q3-Pad3): Q3#14.3 R1#10.1
Board_25-Out: J2#8.2 R1#10.2 R2#10.1
Board_25-unconnected-(J1-Pad2): J1#11.2
Board_25-VDD: J2#8.1 Q1#22.4 Q2#17.4
Board_25-VSS: J2#8.3 Q1#22.1 Q3#14.1
Board_26-Gate: J1#29.1 Q1#14.2 Q1#14.5 Q3#15.2
Board_26-In: J1#29.3 Q2#30.2 Q3#15.5
Board_26-Net-(Q1-Pad3): Q1#14.3 Q1#14.6 Q2#30.5
Board_26-Net-(Q2-Pad1): Q2#30.1 Q3#15.6
Board_26-Net-(Q2-Pad3): Q2#30.3 Q3#15.4
Board_26-Net-(Q2-Pad6): Q2#30.6 R2#14.2
Board_26-Net-(Q3-Pad3): Q3#15.3 R1#20.1
Board_26-Out: J2#15.2 R1#20.2 R2#14.1
Board_26-unconnected-(J1-Pad2): J1#29.2
Board_26-VDD: J2#15.1 Q1#14.4 Q2#30.4
Board_26-VSS: J2#15.3 Q1#14.1 Q3#15.1
Board_27-Gate: J1#24.1 Q1#8.2 Q1#8.5 Q3#19.2
Board_27-In: J1#24.3 Q2#15.2 Q3#19.5
Board_27-Net-(Q1-Pad3): Q1#8.3 Q1#8.6 Q2#15.5
Board_27-Net-(Q2-Pad1): Q2#15.1 Q3#19.6
Board_27-Net-(Q2-Pad3): Q2#15.3 Q3#19.4
Board_27-Net-(Q2-Pad6): Q2#15.6 R2#15.2
Board_27-Net-(Q3-Pad3): Q3#19.3 R1#14.1
Board_27-Out: J2#32.2 R1#14.2 R2#15.1
Board_27-unconnected-(J1-Pad2): J1#24.2
Board_27-VDD: J2#32.1 Q1#8.4 Q2#15.4
Board_27-VSS: J2#32.3 Q1#8.1 Q3#19.1
Board_28-Gate: J1#2.1 Q1#17.2 Q1#17.5 Q3#13.2
Board_28-In: J1#2.3 Q2#13.2 Q3#13.5
Board_28-Net-(Q1-Pad3): Q1#17.3 Q1#17.6 Q2#13.5
Board_28-Net-(Q2-Pad1): Q2#13.1 Q3#13.6
Board_28-Net-(Q2-Pad3): Q2#13.3 Q3#13.4
Board_28-Net-(Q2-Pad6): Q2#13.6 R2#12.2
Board_28-Net-(Q3-Pad3): Q3#13.3 R1#8.1
Board_28-Out: J2#24.2 R1#8.2 R2#12.1
Board_28-unconnected-(J1-Pad2): J1#2.2
Board_28-VDD: J2#24.1 Q1#17.4 Q2#13.4
Board_28-VSS: J2#24.3 Q1#17.1 Q3#13.1
Board_29-Gate: J1#12.1 Q1#30.2 Q1#30.5 Q3#25.2
Board_29-In: J1#12.3 Q2#8.2 Q3#25.5
Board_29-Net-(Q1-Pad3): Q1#30.3 Q1#30.6 Q2#8.5
Board_29-Net-(Q2-Pad1): Q2#8.1 Q3#25.6
Board_29-Net-(Q2-Pad3): Q2#8.3 Q3#25.4
Board_29-Net-(Q2-Pad6): Q2#8.6 R2#26.2
Board_29-Net-(Q3-Pad3): Q3#25.3 R1#7.1
Board_29-Out: J2#27.2 R1#7.2 R2#26.1
Board_29-unconnected-(J1-Pad2): J1#12.2
Board_29-VDD: J2#27.1 Q1#30.4 Q2#8.4
Board_29-VSS: J2#27.3 Q1#30.1 Q3#25.1
Board_30-Gate: J1#3.1 Q1#10.2 Q1#10.5 Q3#3.2
Board_30-In: J1#3.3 Q2#7.2 Q3#3.5
Board_30-Net-(Q1-Pad3): Q1#10.3 Q1#10.6 Q2#7.5
Board_30-Net-(Q2-Pad1): Q2#7.1 Q3#3.6
Board_30-Net-(Q2-Pad3): Q2#7.3 Q3#3.4
Board_30-Net-(Q2-Pad6): Q2#7.6 R2#9.2
Board_30-Net-(Q3-Pad3): Q3#3.3 R1#19.1
Board_30-Out: J2.2 R1#19.2 R2#9.1
Board_30-unconnected-(J1-Pad2): J1#3.2
Board_30-VDD: J2.1 Q1#10.4 Q2#7.4
Board_30-VSS: J2.3 Q1#10.1 Q3#3.1
Board_31-Gate: J1#14.1 Q1#9.2 Q1#9.5 Q3#26.2
Board_31-In: J1#14.3 Q2#6.2 Q3#26.5
Board_31-Net-(Q1-Pad3): Q1#9.3 Q1#9.6 Q2#6.5
Board_31-Net-(Q2-Pad1): Q2#6.1 Q3#26.6
Board_31-Net-(Q2-Pad3): Q2#6.3 Q3#26.4
Board_31-Net-(Q2-Pad6): Q2#6.6 R2#20.2
Board_31-Net-(Q3-Pad3): Q3#26.3 R1#23.1
Board_31-Out: J2#20.2 R1#23.2 R2#20.1
Board_31-unconnected-(J1-Pad2): J1#14.2
Board_31-VDD: J2#20.1 Q1#9.4 Q2#6.4
Board_31-VSS: J2#20.3 Q1#9.1 Q3#26.1

## Via types
v1: diameter 0.8, hole 0.4, Top to Bottom, 288 vias

## Routing (per net, layer and track width the routed paths; a pad name or vN(x,y) marks a point on that pad's centre or on a via; arc(x,y) is an arc through that point)
Board_0-Gate: length 10.4
  Top w0.25: Q3#12.2 J1#21.1 15.89,90.24 18.01,88.13 Q1#12.2 19.84,88.13 20.06,87.91 20.66,87.91 20.88,88.13 Q1#12.5
Board_0-In: length 17
  Top w0.25: Q2#16.2 J1#21.3 ; Q3#12.5 22.82,90.67 v1(22.86,90.62)
  Bottom w0.25: v1(22.86,90.62) 22.86,86.48 20.52,84.14 17.34,84.14 J1#21.3
Board_0-Net-(Q1-Pad3): length 7.1
  Top w0.25: v1(20.36,88.63) 20.5,88.78 Q1#12.6 ; Q2#16.5 20.67,85.59 20.59,85.66 20.59,86.44 19.56,87.48 Q1#12.3
  Bottom w0.25: v1(20.2,86.84) 20.36,87 v1(20.36,88.63)
Board_0-Net-(Q2-Pad1): length 11
  Top w0.25: Q3#12.6 22.44,91.32 v1(22.73,91.61) ; v1(17.67,86.6) 18.64,86.6 Q2#16.1
  Bottom w0.25: v1(22.73,91.61) 20.65,91.61 17.67,88.63 v1(17.67,86.6)
Board_0-Net-(Q2-Pad3): length 8.5
  Top w0.25: Q2#16.3 20.02,84.94 v1(20.09,84.86) ; v1(20.36,90.16) 20.5,90.02 Q3#12.4
  Bottom w0.25: v1(20.09,84.86) 21.08,85.85 21.08,89.43 v1(20.36,90.16)
Board_0-Net-(Q2-Pad6): length 2.2
  Top w0.25: R2#7.2 23.86,86.24 Q2#16.6
Board_0-Net-(Q3-Pad3): length 6
  Top w0.25: Q3#12.3 19.59,89.43 22.43,89.43 22.85,89.01 23.45,89.01 23.87,89.44 R1#6.1
Board_0-Out: length 7.6
  Top w0.25: R2#7.1 26.69,86.22 J2#6.2 26.05,90.67 25.7,90.67
Board_0-VDD: length 16.7
  Top w0.25: J2#6.1 27.8,91.47 25.08,91.47 24.88,91.27 24.88,87.97 ; 24.88,87.97 24.39,87.48 Q1#12.4 ; 24.88,87.97 24.88,85.69 24.13,84.94 Q2#16.4
Board_0-VSS: length 19.4
  Top w0.25: Q1#12.1 18.79,88.78 v1(17.66,89.9) ; Q3#12.1 18.29,91.32 v1(17.93,91.68)
  Bottom w0.25: v1(17.66,89.9) 17.66,91.42 v1(17.93,91.68) 18.58,92.34 23.12,92.34 27.42,88.03 27.42,86.76 J2#6.3
Board_1-Gate: length 10.4
  Top w0.25: Q3#24.2 J1#17.1 34.41,90.24 36.52,88.13 Q1#25.2 38.35,88.13 38.57,87.91 39.17,87.91 39.39,88.13 Q1#25.5
Board_1-In: length 17
  Top w0.25: Q2.2 J1#17.3 ; Q3#24.5 41.33,90.67 v1(41.37,90.62)
  Bottom w0.25: v1(41.37,90.62) 41.37,86.48 39.03,84.14 35.85,84.14 J1#17.3
Board_1-Net-(Q1-Pad3): length 7.1
  Top w0.25: Q1#25.6 39.01,88.78 v1(38.87,88.63) ; Q1#25.3 38.07,87.48 39.1,86.44 39.1,85.66 39.18,85.59 Q2.5
  Bottom w0.25: v1(38.87,88.63) 38.87,87 v1(38.71,86.84)
Board_1-Net-(Q2-Pad1): length 11
  Top w0.25: Q2.1 37.15,86.6 v1(36.18,86.6) ; Q3#24.6 40.95,91.32 v1(41.24,91.61)
  Bottom w0.25: v1(41.24,91.61) 39.16,91.61 36.18,88.63 v1(36.18,86.6)
Board_1-Net-(Q2-Pad3): length 8.5
  Top w0.25: Q3#24.4 39.01,90.02 v1(38.87,90.16) ; Q2.3 38.53,84.94 v1(38.6,84.86)
  Bottom w0.25: v1(38.6,84.86) 39.59,85.85 39.59,89.43 v1(38.87,90.16)
Board_1-Net-(Q2-Pad6): length 2.2
  Top w0.25: R2#23.2 42.37,86.24 Q2.6
Board_1-Net-(Q3-Pad3): length 6
  Top w0.25: R1#25.1 42.38,89.44 41.96,89.01 41.36,89.01 40.94,89.43 38.1,89.43 Q3#24.3
Board_1-Out: length 7.6